# KiCad board kim-1.kicad_pcb (continued)
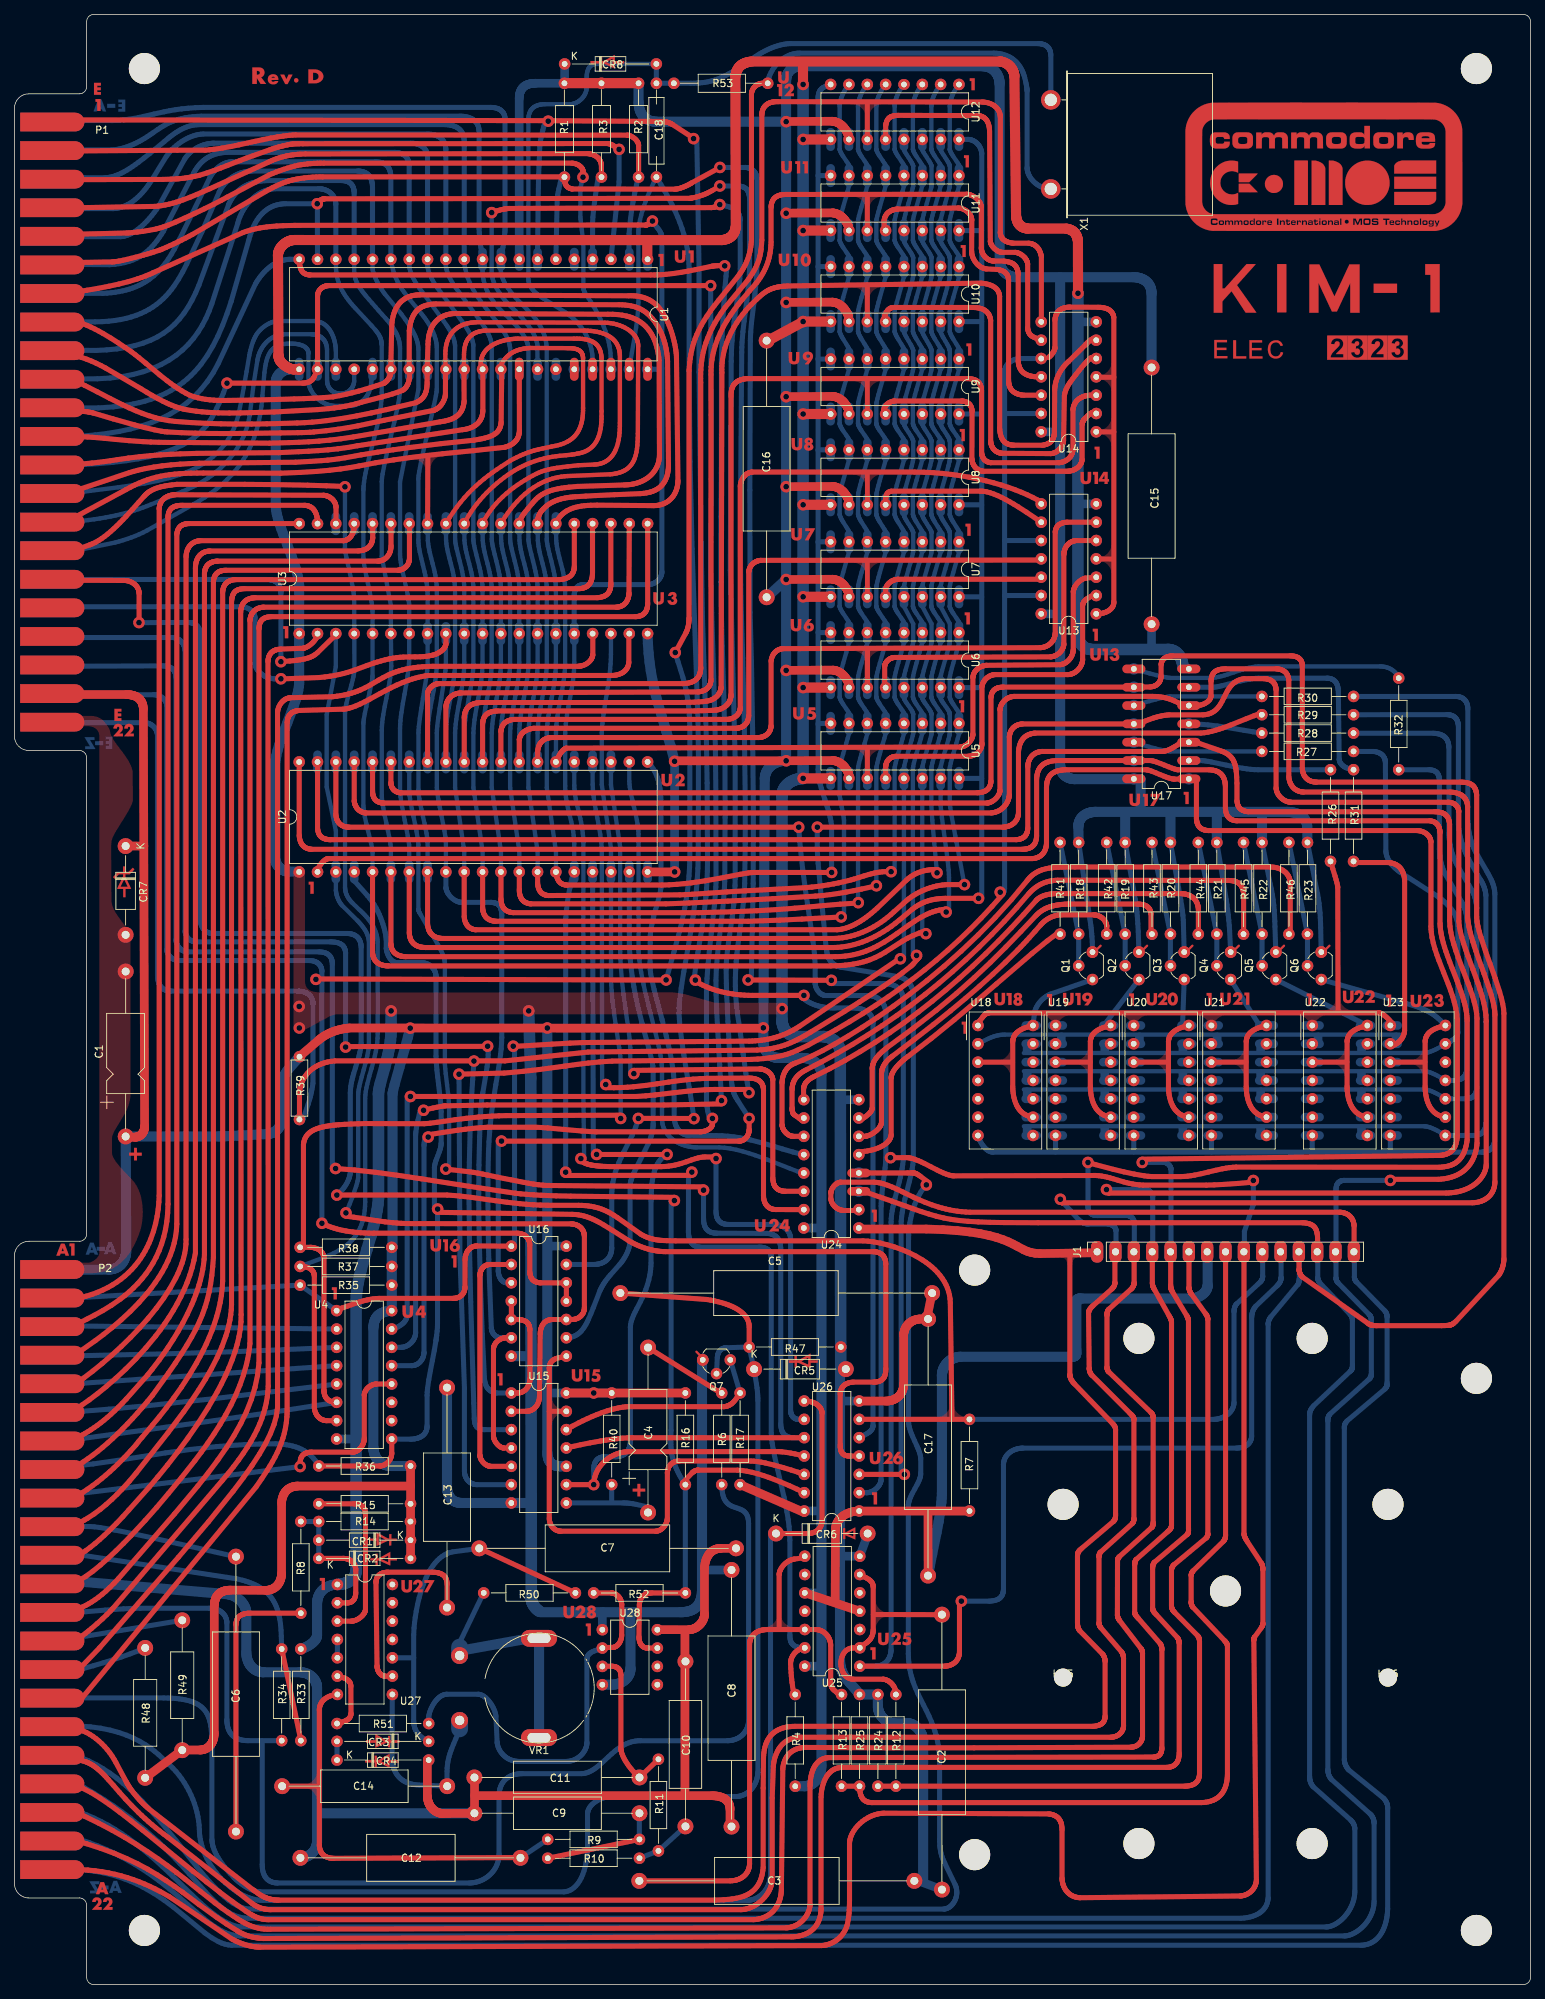
[diagram p0: board, top side]
## Routing (per net, layer and track width the routed paths; a pad name or vN(x,y) marks a point on that pad's centre or on a via; arc(x,y) is an arc through that point) (continued)
/PA4: length 146.9
  Top w0.7: 8.34,83.15 9.58,84.03 10.86,85.01 12.17,86.08 13.49,87.22 14.8,88.43 16.09,89.69 17.34,90.99 18.53,92.34 19.64,93.71 20.66,95.09 21.56,96.49 22.33,97.88 22.66,98.57 22.96,99.26 23.21,99.95 23.42,100.62 23.58,101.29 23.69,101.95 23.76,102.6 23.77,103.24 23.77,197.85 23.78,198.06 23.81,198.27 23.85,198.48 23.91,198.68 23.95,198.78 23.98,198.87 24.03,198.96 24.08,199.05 24.13,199.14 24.18,199.22 24.24,199.31 24.3,199.38 24.37,199.46 24.44,199.53 24.51,199.6 24.59,199.66 24.67,199.72 24.75,199.78 24.84,199.83 24.93,199.88 25.03,199.92 25.13,199.96 25.23,199.99 25.34,200.02 25.45,200.04 25.56,200.06 25.68,200.07 25.8,200.08 45.52,200.08 45.61,200.08 45.7,200.09 45.79,200.11 45.87,200.13 45.95,200.16 46.03,200.19 46.11,200.23 46.19,200.28 46.26,200.33 46.33,200.38 46.4,200.44 46.46,200.51 46.52,200.57 46.58,200.65 46.64,200.72 46.69,200.8 46.74,200.88 46.78,200.97 46.83,201.06 46.87,201.15 46.91,201.25 46.94,201.34 46.97,201.44 47,201.54 47.03,201.65 47.05,201.75 47.07,201.86 47.08,201.97 47.09,202.08 47.1,202.18 47.1,202.29 47.1,202.41
/PA5: length 152.6
  Top w0.7: 49.63,202.47 49.63,200.56 49.62,200.45 49.61,200.34 49.6,200.24 49.58,200.14 49.56,200.04 49.54,199.95 49.51,199.86 49.47,199.77 49.44,199.69 49.4,199.61 49.35,199.53 49.31,199.46 49.26,199.38 49.2,199.32 49.14,199.25 49.08,199.19 49.01,199.13 48.95,199.08 48.87,199.03 48.8,198.98 48.72,198.93 48.63,198.89 48.54,198.85 48.45,198.82 48.36,198.79 48.26,198.76 48.16,198.73 48.05,198.71 47.83,198.68 47.6,198.66 27.12,198.65 27,198.64 26.88,198.63 26.76,198.62 26.65,198.59 26.54,198.57 26.44,198.54 26.34,198.5 26.24,198.46 26.15,198.41 26.06,198.36 25.97,198.31 25.89,198.25 25.81,198.19 25.74,198.12 25.66,198.05 25.6,197.97 25.53,197.89 25.48,197.81 25.42,197.72 25.37,197.63 25.32,197.53 25.28,197.44 25.24,197.33 25.2,197.23 25.17,197.12 25.15,197.01 25.1,196.77 25.08,196.52 25.07,196.27 25.07,101.39 24.87,100.34 24.6,99.31 24.28,98.28 23.91,97.27 23.5,96.28 23.04,95.3 22.53,94.34 22,93.4 21.42,92.49 20.82,91.59 20.2,90.71 19.55,89.86 18.21,88.23 16.83,86.71 15.43,85.31 14.06,84.02 12.73,82.88 11.49,81.87 10.35,81.01 9.35,80.31 8.53,79.77 7.9,79.41
/PA6: length 158.1
  Top w0.7: 52.16,202.47 52.16,199.39 52.16,199.2 52.14,199.02 52.11,198.83 52.07,198.65 52.04,198.56 52,198.47 51.97,198.38 51.93,198.29 51.88,198.21 51.84,198.12 51.79,198.04 51.73,197.96 51.67,197.89 51.61,197.82 51.54,197.75 51.47,197.68 51.4,197.62 51.32,197.56 51.24,197.51 51.15,197.46 51.06,197.41 50.97,197.37 50.87,197.34 50.77,197.31 50.66,197.28 50.55,197.27 50.43,197.25 50.32,197.25 28.19,197.25 28.08,197.24 27.97,197.24 27.87,197.22 27.77,197.21 27.68,197.19 27.58,197.17 27.49,197.15 27.41,197.12 27.32,197.09 27.24,197.05 27.17,197.01 27.09,196.97 27.02,196.93 26.96,196.88 26.89,196.83 26.83,196.78 26.77,196.72 26.72,196.66 26.67,196.6 26.62,196.53 26.58,196.47 26.54,196.4 26.5,196.32 26.46,196.25 26.43,196.17 26.41,196.09 26.38,196 26.36,195.92 26.35,195.83 26.33,195.74 26.33,195.64 26.32,195.55 26.32,101.2 26.27,100.49 26.19,99.78 26.08,99.07 25.94,98.36 25.76,97.65 25.57,96.95 25.35,96.25 25.1,95.56 24.84,94.88 24.56,94.21 23.96,92.91 23.31,91.65 22.64,90.46 21.96,89.35 21.29,88.32 20.65,87.38 20.05,86.55 19.07,85.25 18.47,84.5 15.48,81.13 14.93,80.55 14.39,80 13.87,79.5 13.37,79.03 12.88,78.6 12.4,78.2 11.94,77.83 11.49,77.49 11.05,77.18 10.62,76.89 10.2,76.63 9.78,76.38 9.37,76.15 8.97,75.93 8.18,75.53
/PA7: length 163.7
  Top w0.7: 8.16,71.59 8.84,71.98 9.52,72.41 10.2,72.88 10.88,73.37 11.56,73.9 12.24,74.46 12.92,75.05 13.6,75.67 14.29,76.32 14.97,77 15.66,77.7 16.35,78.44 17.04,79.2 17.73,79.99 18.42,80.8 19.11,81.64 21.34,84.74 22.29,86.12 23.13,87.4 23.88,88.6 24.55,89.73 25.12,90.81 25.62,91.86 26.05,92.89 26.41,93.91 26.72,94.94 26.97,95.99 27.17,97.08 27.33,98.23 27.46,99.45 27.56,100.76 27.56,194.37 27.57,194.48 27.58,194.58 27.59,194.68 27.61,194.78 27.63,194.87 27.66,194.95 27.69,195.04 27.72,195.11 27.76,195.19 27.8,195.26 27.84,195.33 27.88,195.39 27.93,195.45 27.98,195.51 28.03,195.56 28.09,195.61 28.15,195.66 28.21,195.7 28.27,195.74 28.34,195.77 28.41,195.81 28.48,195.84 28.55,195.86 28.62,195.89 28.7,195.91 28.78,195.93 28.94,195.96 29.11,195.97 29.29,195.98 53.11,195.98 53.21,195.99 53.3,196 53.39,196.02 53.48,196.04 53.56,196.06 53.64,196.09 53.72,196.12 53.8,196.15 53.87,196.19 53.94,196.23 54.01,196.27 54.07,196.32 54.13,196.36 54.19,196.41 54.24,196.47 54.3,196.52 54.34,196.58 54.39,196.64 54.43,196.7 54.47,196.76 54.51,196.83 54.54,196.9 54.57,196.96 54.6,197.04 54.63,197.11 54.65,197.18 54.67,197.25 54.68,197.33 54.7,197.48 54.71,197.64 54.71,202.47
/PB0: length 189.9
  Top w0.7: 7.99,67.32 8.73,67.74 9.45,68.19 10.14,68.65 10.81,69.12 11.45,69.6 12.06,70.09 12.65,70.58 13.21,71.08 13.75,71.57 14.26,72.06 15.21,73.02 16.07,73.93 16.84,74.79 17.15,75.21 17.66,75.81 19.14,77.56 20.05,78.67 21.04,79.92 22.08,81.3 23.14,82.8 24.19,84.4 25.2,86.09 25.68,86.97 26.14,87.86 26.58,88.78 26.99,89.7 27.36,90.64 27.71,91.6 28.01,92.56 28.28,93.53 28.49,94.51 28.66,95.49 28.78,96.48 28.84,97.47 28.84,192.94 28.85,193.05 28.86,193.16 28.87,193.26 28.89,193.36 28.92,193.46 28.95,193.55 28.98,193.64 29.01,193.72 29.05,193.8 29.09,193.88 29.14,193.95 29.18,194.02 29.23,194.08 29.29,194.14 29.34,194.2 29.4,194.26 29.47,194.31 29.53,194.35 29.6,194.4 29.67,194.44 29.74,194.47 29.81,194.51 29.89,194.54 29.97,194.57 30.13,194.61 30.3,194.65 30.47,194.67 30.66,194.68 75.41,194.68 75.64,194.7 75.86,194.72 76.06,194.76 76.26,194.81 76.45,194.88 76.62,194.95 76.71,194.99 76.78,195.04 76.86,195.09 76.93,195.14 77,195.2 77.07,195.26 77.13,195.32 77.18,195.39 77.24,195.46 77.29,195.53 77.33,195.61 77.37,195.69 77.41,195.77 77.44,195.86 77.47,195.95 77.5,196.05 77.52,196.15 77.53,196.26 77.54,196.36 77.55,196.48 77.55,202.44
/PB1: length 197.2
  Top w0.7: 80.07,202.47 80.07,195.67 80.06,195.44 80.04,195.21 80.01,195 79.97,194.79 79.95,194.69 79.92,194.6 79.88,194.51 79.85,194.42 79.81,194.33 79.76,194.25 79.71,194.17 79.66,194.09 79.61,194.02 79.55,193.95 79.48,193.89 79.41,193.83 79.34,193.77 79.26,193.72 79.18,193.67 79.09,193.63 78.99,193.59 78.9,193.55 78.79,193.52 78.68,193.49 78.57,193.47 78.45,193.45 78.32,193.44 78.19,193.43 31.9,193.43 31.68,193.42 31.47,193.4 31.28,193.37 31.2,193.35 31.11,193.32 31.03,193.29 30.95,193.26 30.87,193.23 30.8,193.19 30.73,193.15 30.67,193.11 30.6,193.06 30.55,193 30.49,192.95 30.44,192.89 30.39,192.82 30.35,192.75 30.31,192.67 30.27,192.6 30.23,192.51 30.2,192.42 30.17,192.33 30.15,192.23 30.13,192.13 30.11,192.02 30.1,191.9 30.08,191.78 30.07,191.52 30.07,94.25 30.04,93.53 29.96,92.8 29.85,92.07 29.69,91.34 29.5,90.6 29.28,89.86 28.73,88.37 28.07,86.86 27.3,85.36 26.44,83.85 25.5,82.35 24.5,80.85 23.45,79.37 21.25,76.45 16.88,70.9 15.93,69.76 14.86,68.59 14.21,67.92 13.49,67.23 12.72,66.54 11.9,65.86 11.04,65.21 10.15,64.63 9.69,64.36 9.24,64.12 8.78,63.9 8.32,63.71 7.86,63.55 7.4,63.42 6.94,63.33 6.49,63.27
/PB2: length 201.4
  Top w0.7: 82.61,202.47 82.61,194.21 82.61,194.07 82.61,193.94 82.6,193.82 82.58,193.7 82.57,193.58 82.54,193.48 82.52,193.37 82.49,193.27 82.45,193.18 82.41,193.09 82.37,193.01 82.32,192.93 82.27,192.86 82.22,192.79 82.16,192.72 82.1,192.66 82.03,192.6 81.96,192.55 81.89,192.5 81.82,192.46 81.74,192.42 81.66,192.38 81.57,192.34 81.49,192.31 81.31,192.26 81.12,192.22 80.92,192.19 80.71,192.18 33.37,192.18 33.24,192.17 33.12,192.16 33,192.14 32.88,192.12 32.77,192.1 32.67,192.07 32.57,192.04 32.47,192.01 32.38,191.97 32.29,191.93 32.2,191.88 32.12,191.83 32.05,191.78 31.98,191.72 31.91,191.67 31.84,191.6 31.78,191.54 31.73,191.47 31.68,191.39 31.63,191.32 31.58,191.24 31.54,191.16 31.51,191.07 31.47,190.98 31.44,190.89 31.42,190.8 31.4,190.7 31.38,190.6 31.35,190.39 31.34,190.16 31.39,92.83 31.38,91.84 31.28,90.83 31.11,89.79 30.86,88.73 30.54,87.65 30.15,86.56 29.71,85.46 29.22,84.36 28.68,83.25 28.1,82.14 26.83,79.95 25.46,77.81 24.04,75.75 22.6,73.8 21.2,71.99 19.87,70.35 18.65,68.92 15.84,65.75 15.04,64.86 14.15,63.92 13.05,62.82 12.44,62.24 11.81,61.67 11.17,61.12 10.52,60.6 9.88,60.12 9.25,59.72 8.65,59.39 8.37,59.25 8.09,59.15
/PB3: length 206.8
  Top w0.7: 85.17,202.47 85.12,192.83 85.12,192.73 85.11,192.62 85.1,192.52 85.08,192.43 85.06,192.33 85.04,192.24 85.02,192.15 84.99,192.06 84.95,191.97 84.92,191.88 84.88,191.8 84.84,191.72 84.79,191.65 84.74,191.57 84.69,191.5 84.63,191.43 84.57,191.37 84.51,191.31 84.45,191.25 84.38,191.2 84.31,191.15 84.23,191.1 84.16,191.06 84.08,191.02 83.99,190.98 83.91,190.95 83.82,190.93 83.73,190.91 83.63,190.89 83.53,190.87 83.43,190.87 83.33,190.86 34.57,190.86 34.46,190.86 34.36,190.85 34.25,190.84 34.15,190.82 34.05,190.8 33.96,190.77 33.86,190.74 33.77,190.71 33.69,190.67 33.6,190.63 33.52,190.58 33.44,190.54 33.37,190.48 33.3,190.43 33.23,190.37 33.17,190.31 33.1,190.24 33.05,190.18 32.99,190.11 32.94,190.03 32.89,189.96 32.85,189.88 32.81,189.8 32.77,189.71 32.74,189.63 32.71,189.54 32.69,189.45 32.66,189.36 32.65,189.27 32.63,189.17 32.63,189.07 32.62,188.98 32.62,88.84 32.54,88.1 32.43,87.37 32.3,86.64 32.13,85.92 31.73,84.48 31.23,83.06 30.65,81.67 29.99,80.29 29.26,78.94 28.48,77.61 27.65,76.31 26.78,75.03 25.89,73.79 24.97,72.57 23.13,70.24 21.33,68.05 19.71,66.13 18.11,64.31 16.17,62.23 15.13,61.16 14.06,60.1 12.98,59.08 11.91,58.13 10.88,57.28 9.88,56.56 8.96,55.99 8.53,55.77 8.12,55.59
/PB4: length 213.6
  Top w0.7: 7.45,51.48 8.08,51.75 8.76,52.02 9.12,52.18 9.49,52.35 9.88,52.55 10.29,52.77 10.72,53.03 11.17,53.33 11.65,53.67 12.15,54.07 12.67,54.52 13.22,55.03 13.8,55.61 14.41,56.26 22.17,65.21 25.4,69.09 26.85,70.92 28.17,72.69 29.37,74.41 30.43,76.1 31.37,77.77 32.16,79.43 32.81,81.08 33.32,82.75 33.67,84.44 33.87,86.17 33.87,187.85 33.88,187.96 33.88,188.07 33.89,188.18 33.91,188.28 33.92,188.38 33.95,188.47 33.97,188.56 34,188.64 34.03,188.72 34.07,188.79 34.1,188.86 34.15,188.93 34.19,188.99 34.24,189.05 34.29,189.11 34.35,189.16 34.4,189.21 34.47,189.25 34.53,189.29 34.6,189.33 34.67,189.36 34.74,189.4 34.82,189.42 34.89,189.45 34.98,189.47 35.06,189.49 35.24,189.52 35.42,189.54 35.62,189.55 86,189.55 86.11,189.55 86.22,189.56 86.32,189.57 86.42,189.59 86.51,189.61 86.6,189.63 86.69,189.66 86.77,189.69 86.85,189.73 86.92,189.76 87,189.81 87.06,189.85 87.13,189.9 87.19,189.95 87.25,190.01 87.3,190.06 87.35,190.13 87.4,190.19 87.44,190.26 87.48,190.33 87.52,190.4 87.55,190.48 87.58,190.56 87.61,190.64 87.63,190.73 87.65,190.82 87.67,190.91 87.69,191.01 87.71,191.2 87.71,191.41 87.71,202.45
/PB5: length 201.1
  Top w0.7: 7.37,39.52 9.21,39.52 33.47,68.96 34.26,70.12 35.03,71.28 35.39,71.87 35.75,72.47 36.08,73.09 36.4,73.71 36.69,74.36 36.95,75.02 37.18,75.7 37.38,76.41 37.54,77.14 37.66,77.9 37.74,78.68 37.76,79.09 37.77,79.5 37.77,174.86 37.78,175.03 37.81,175.2 37.84,175.36 37.86,175.44 37.89,175.51 37.92,175.58 37.95,175.65 37.98,175.72 38.02,175.79 38.06,175.85 38.1,175.92 38.14,175.98 38.19,176.03 38.25,176.09 38.3,176.14 38.36,176.19 38.42,176.24 38.49,176.28 38.56,176.32 38.64,176.36 38.71,176.39 38.79,176.42 38.88,176.45 38.97,176.48 39.06,176.5 39.16,176.52 39.26,176.53 39.37,176.54 39.48,176.55 45.53,176.73 45.8,176.76 46.08,176.8 46.36,176.87 46.65,176.95 47.26,177.17 47.88,177.44 48.53,177.76 49.21,178.12 50.64,178.89 51.39,179.29 52.16,179.69 52.96,180.07 53.78,180.43 54.63,180.75 55.06,180.89 55.5,181.03 55.94,181.14 56.39,181.25 56.85,181.33 57.31,181.4 82.6,181.4 82.81,181.4 83.02,181.42 83.24,181.44 83.45,181.48 83.65,181.54 83.85,181.6 84.05,181.69 84.14,181.74 84.23,181.79 84.32,181.85 84.4,181.91 84.48,181.97 84.56,182.04 84.63,182.11 84.7,182.19 84.76,182.27 84.82,182.36 84.88,182.45 84.92,182.55 84.97,182.65 85.01,182.75 85.04,182.86 85.07,182.98 85.09,183.1 85.1,183.22 85.1,187.19
/PB7: length 193.1
  Top w0.7: 7.38,43.82 9.05,43.82 11.81,46.68 22.71,59.21 26.9,64.15 30.29,68.36 31.69,70.22 32.91,71.93 33.94,73.51 34.79,74.98 35.46,76.34 35.96,77.62 36.28,78.81 36.44,79.95 36.44,176.3 36.45,176.4 36.46,176.49 36.5,176.68 36.56,176.86 36.62,177.04 36.7,177.22 36.8,177.38 36.9,177.54 37.02,177.69 37.09,177.75 37.15,177.82 37.22,177.88 37.29,177.94 37.36,178 37.44,178.05 37.52,178.1 37.6,178.14 37.68,178.18 37.77,178.22 37.85,178.25 37.94,178.27 38.03,178.29 38.12,178.31 38.21,178.32 38.31,178.32 44.08,178.46 44.67,178.53 45.23,178.61 45.75,178.71 46.23,178.82 46.69,178.95 47.11,179.08 47.51,179.23 47.89,179.38 48.59,179.7 49.23,180.05 50.46,180.76 51.08,181.11 51.75,181.45 52.11,181.61 52.48,181.77 52.88,181.91 53.3,182.05 53.76,182.17 54.24,182.29 54.75,182.39 55.31,182.48 55.9,182.55 56.54,182.61 57.22,182.65 57.95,182.67 78.07,182.67 78.17,182.68 78.27,182.68 78.37,182.7 78.47,182.72 78.56,182.74 78.66,182.76 78.84,182.82 79.02,182.9 79.18,182.98 79.34,183.08 79.48,183.19 79.61,183.31 79.73,183.43 79.84,183.57 79.88,183.64 79.93,183.71 79.96,183.78 80,183.85 80.03,183.92 80.05,184 80.08,184.07 80.09,184.15 80.1,184.23 80.11,184.31 80.11,187.17
/PTR: length 185.5
  Top w0.7: 109.4,80.85 109.55,80.85 109.7,80.85 109.84,80.84 109.98,80.82 110.11,80.8 110.24,80.77 110.36,80.74 110.48,80.71 110.59,80.67 110.7,80.63 110.81,80.59 110.9,80.54 111,80.48 111.09,80.43 111.17,80.37 111.25,80.31 111.32,80.25 111.39,80.18 111.46,80.12 111.52,80.05 111.57,79.98 111.62,79.91 111.67,79.84 111.71,79.76 111.74,79.69 111.78,79.61 111.8,79.54 111.82,79.47 111.84,79.39 111.86,79.32 111.86,79.25 111.87,79.18 111.87,64.37 111.86,64.2 111.84,64.03 111.8,63.86 111.75,63.69 111.72,63.61 111.69,63.53 111.65,63.46 111.61,63.38 111.56,63.31 111.51,63.23 111.46,63.17 111.4,63.1 111.34,63.03 111.27,62.97 111.2,62.91 111.13,62.86 111.05,62.81 110.96,62.76 110.88,62.71 110.78,62.67 110.68,62.64 110.58,62.6 110.48,62.57 110.36,62.55 110.25,62.53 110.13,62.52 110,62.51 109.87,62.5 CR6.1 ; 109.7,80.85 109.56,80.86 109.4,80.85
  Bottom w0.7: 104.73,62.33 104.73,15.29 104.72,15.09 104.71,14.9 104.68,14.71 104.65,14.53 104.61,14.35 104.57,14.17 104.51,14 104.45,13.84 104.38,13.68 104.3,13.52 104.22,13.37 104.13,13.22 104.04,13.08 103.94,12.95 103.83,12.82 103.72,12.69 103.6,12.58 103.48,12.46 103.36,12.36 103.23,12.26 103.1,12.17 102.96,12.09 102.83,12.01 102.68,11.94 102.54,11.88 102.39,11.82 102.24,11.78 102.09,11.74 101.94,11.71 101.79,11.68 101.63,11.67 101.48,11.66 34.38,11.66 34.01,11.68 33.64,11.72 33.27,11.8 32.89,11.89 32.51,12.02 32.13,12.16 31.75,12.33 31.37,12.53 31,12.74 30.63,12.98 29.9,13.5 29.2,14.1 28.55,14.77 27.93,15.49 27.37,16.25 26.87,17.06 26.65,17.48 26.45,17.91 26.26,18.34 26.1,18.78 25.96,19.22 25.84,19.67 25.74,20.12 25.67,20.58 25.63,21.03 25.61,21.49 25.58,22.07 25.51,22.67 25.41,23.27 25.28,23.88 25.12,24.48 24.93,25.08 24.7,25.68 24.45,26.27 24.17,26.85 23.87,27.42 23.53,27.97 23.17,28.51 22.79,29.03 22.38,29.53 21.94,30 21.48,30.45 19.95,31.87 19.42,32.32 18.81,32.78 18.13,33.25 17.35,33.7 16.49,34.14 15.53,34.56 14.46,34.93 13.27,35.25 11.97,35.52 10.54,35.71 8.98,35.82 7.28,35.84
/PTR_R: length 10.8
  Bottom w0.7: 7.89,43.35 9.45,43.77 10.92,44.18 12.32,44.59 13.64,45 14.87,45.41 16.03,45.82 17.12,46.24 18.12,46.65
/R0: length 101.4
  Top w0.7: 78.76,250.46 78.76,251.26 78.75,251.32 78.74,251.37 78.73,251.43 78.71,251.48 78.69,251.54 78.66,251.59 78.64,251.64 78.6,251.69 78.57,251.74 78.53,251.79 78.45,251.88 78.36,251.96 78.26,252.04 78.15,252.11 78.03,252.18 77.9,252.24 77.77,252.29 77.64,252.33 77.49,252.36 77.35,252.38 77.2,252.39 42.84,252.39 42.38,252.39 41.93,252.38 41.48,252.36 41.03,252.32 40.59,252.28 40.14,252.23 39.7,252.17 39.26,252.09 38.77,251.98 38.28,251.84 37.79,251.7 37.29,251.54 36.79,251.36 36.29,251.17 35.78,250.97 35.26,250.75 29.45,247.68 28.67,247.25 27.58,246.69 26.3,246.06 24.92,245.4 23.56,244.77 22.31,244.22 21.28,243.79 20.88,243.64 20.58,243.55 20.3,243.45 20,243.37 19.66,243.28 19.3,243.2 18.54,243.06 17.76,242.94 17.03,242.84 16.38,242.77 15.87,242.73 15.54,242.71 8.26,242.54
  Bottom w0.6: 78.75,250.44 78.69,250.23 78.63,250 78.56,249.72 78.49,249.4 78.46,249.24 78.43,249.08 78.41,248.92 78.4,248.77 78.39,248.63 78.39,248.51 78.39,244.95 78.41,244.64 78.46,244.19 78.6,243.08 78.73,241.96 78.78,241.51 78.8,241.18 78.8,235.23 78.82,235.1 78.83,234.98 78.84,234.92 78.85,234.86 78.86,234.81 78.88,234.76 78.89,234.71 78.91,234.66 78.93,234.61 78.95,234.56 78.97,234.52 78.99,234.47 79.02,234.43 79.05,234.38 79.46,233.76 79.85,233.15 80.21,232.55 80.55,231.96 80.86,231.38 81.15,230.8 81.41,230.24 81.64,229.69 81.85,229.14 82.04,228.6 82.19,228.08 82.32,227.56 82.43,227.05 82.51,226.55 82.56,226.07 82.59,225.59 82.61,223.83
  vias: v1(78.75,250.45)
/R/~{W}: length 187.6
  Top w0.7: 36.99,180.92 42.2,181.11 42.99,181.2 43.72,181.3 44.39,181.41 45,181.53 45.57,181.67 46.1,181.82 46.6,181.97 47.07,182.13 48.85,182.78 49.76,183.11 50.25,183.26 50.77,183.41 51.36,183.57 51.92,183.7 52.45,183.8 52.94,183.87 53.41,183.92 53.86,183.95 54.69,183.97 55.47,183.98 56.23,183.99 56.6,184.01 56.99,184.05 57.38,184.1 57.78,184.18 57.95,184.22 58.13,184.27 58.3,184.33 58.47,184.4 58.64,184.48 58.8,184.57 58.95,184.66 59.1,184.77 59.23,184.88 59.35,185 59.47,185.12 59.52,185.19 59.56,185.25 59.6,185.32 59.64,185.39 59.68,185.46 59.71,185.53 59.73,185.6 59.75,185.67 59.77,185.75 59.78,185.82 59.77,187.23 ; 68.82,89.62 68.03,89.62 67.95,89.62 67.88,89.61 67.8,89.6 67.72,89.58 67.65,89.56 67.57,89.54 67.5,89.51 67.42,89.48 67.35,89.45 67.28,89.41 67.21,89.37 67.14,89.33 67.01,89.24 66.89,89.13 66.77,89.02 66.72,88.96 66.67,88.9 66.62,88.84 66.58,88.78 66.54,88.71 66.5,88.64 66.47,88.58 66.44,88.51 66.42,88.44 66.39,88.37 66.38,88.3 66.36,88.22 66.36,88.15 66.35,88.08 66.35,76.01 66.35,75.95 66.36,75.88 66.37,75.81 66.39,75.74 66.41,75.67 66.43,75.6 66.48,75.46 66.55,75.32 66.63,75.18 66.73,75.05 66.83,74.92 66.94,74.8 67.05,74.69 67.17,74.6 67.24,74.56 67.3,74.52 67.36,74.48 67.43,74.45 67.49,74.42 67.56,74.4 67.62,74.38 67.69,74.36 67.75,74.35 67.82,74.35 68.82,74.35
  Bottom w0.6: 59.76,187.2 59.76,182.89 59.74,182.51 59.7,182.05 59.55,180.94 59.12,178.24 58.9,176.84 58.7,175.51 58.56,174.35 58.52,173.86 58.51,173.44 58.51,165.86 58.53,165.53 58.57,165.13 58.72,164.2 58.91,163.14 59.14,162.02 59.56,159.89 59.7,159.01 59.74,158.65 59.76,158.36 59.76,154.21
  Bottom w0.7: 36.92,180.94 36.11,180.94 35.96,180.94 35.82,180.95 35.68,180.97 35.55,180.99 35.41,181.02 35.28,181.06 35.15,181.1 35.03,181.14 34.9,181.19 34.79,181.24 34.67,181.3 34.56,181.36 34.45,181.43 34.35,181.5 34.25,181.57 34.15,181.65 34.06,181.72 33.97,181.8 33.89,181.89 33.81,181.97 33.74,182.06 33.67,182.15 33.61,182.24 33.56,182.33 33.51,182.43 33.46,182.52 33.42,182.61 33.39,182.71 33.36,182.8 33.34,182.9 33.33,182.99 33.32,183.09 33.32,189.3 33.32,189.4 33.31,189.49 33.3,189.58 33.28,189.67 33.25,189.76 33.22,189.84 33.18,189.92 33.14,190 33.1,190.07 33.05,190.14 33,190.21 32.94,190.28 32.88,190.34 32.81,190.4 32.74,190.46 32.67,190.51 32.6,190.56 32.52,190.61 32.36,190.69 32.18,190.77 32,190.83 31.81,190.87 31.62,190.9 31.42,190.92 31.22,190.93 7.73,190.93 ; 59.76,154.21 59.76,152.02 59.78,151.93 59.79,151.83 59.81,151.74 59.84,151.65 59.87,151.56 59.91,151.47 59.95,151.38 60,151.29 60.05,151.2 60.1,151.11 60.22,150.95 60.36,150.79 60.5,150.64 60.66,150.5 60.82,150.37 61,150.26 61.08,150.21 61.17,150.16 61.27,150.12 61.36,150.08 61.45,150.05 61.54,150.02 61.63,150 61.73,149.98 61.82,149.97 61.91,149.96 65.96,149.96 66.07,149.96 66.17,149.95 66.27,149.94 66.36,149.92 66.45,149.9 66.53,149.88 66.61,149.86 66.69,149.83 66.76,149.8 66.83,149.77 66.89,149.73 66.96,149.69 67.01,149.65 67.07,149.6 67.12,149.55 67.16,149.5 67.2,149.44 67.24,149.38 67.28,149.32 67.31,149.25 67.34,149.18 67.37,149.1 67.4,149.02 67.42,148.94 67.44,148.85 67.45,148.76 67.48,148.57 67.49,148.36 67.5,148.14 67.5,131.2 67.47,130.44 67.42,129.67 67.34,128.89 67.23,128.1 66.97,126.45 66.67,124.68 66.36,122.73 66.21,121.68 66.06,120.57 65.93,119.39 65.82,118.14 65.73,116.81 65.66,115.4 65.59,111.97 65.58,108.75 65.61,105.61 65.66,102.39 65.7,100.54 65.8,97.61 66.05,91 66.06,90.93 66.07,90.85 66.08,90.78 66.1,90.71 66.11,90.64 66.14,90.57 66.16,90.5 66.19,90.44 66.22,90.38 66.25,90.32 66.28,90.26 66.32,90.2 66.36,90.15 66.4,90.1 66.44,90.05 66.49,90.01 66.53,89.96 66.58,89.92 66.63,89.88 66.69,89.85 66.74,89.81 66.8,89.78 66.85,89.75 66.91,89.72 66.97,89.7 67.04,89.68 67.1,89.66 67.16,89.65 67.23,89.63 67.3,89.62 67.36,89.62 67.43,89.61 68.79,89.61
  vias: v1(36.91,180.94)
/RAMRW: length 362.6
  Top w0.7: 39.48,119.87 39.48,123.57 39.5,123.82 39.54,124.05 39.59,124.29 39.64,124.51 39.71,124.73 39.78,124.94 39.87,125.15 39.96,125.34 40.06,125.54 40.18,125.72 40.3,125.9 40.42,126.07 40.56,126.23 40.7,126.39 40.86,126.54 41.02,126.69 41.18,126.82 41.35,126.95 41.53,127.08 41.72,127.19 41.91,127.3 42.11,127.4 42.32,127.49 42.53,127.58 42.74,127.66 42.96,127.73 43.19,127.79 43.42,127.85 43.89,127.94 44.38,127.99 67.93,127.99 79.46,129.22 102.86,129.49 103.49,129.53 104.09,129.59 104.66,129.67 105.19,129.77 105.71,129.89 106.19,130.02 106.66,130.17 107.1,130.33 107.53,130.51 107.95,130.69 108.35,130.89 108.75,131.09 109.52,131.53 110.29,131.98 115.01,134.87 117.01,136.13 118.8,137.28 120.39,138.34 121.78,139.31 123.01,140.21 124.07,141.04 124.17,141.12 124.26,141.2 124.35,141.28 124.43,141.36 124.5,141.44 124.58,141.52 124.72,141.69 124.99,142 125.06,142.08 125.13,142.16 125.2,142.23 125.28,142.31
  Bottom w0.6: 124.45,142.6 124.45,168.46 124.46,168.6 124.49,168.79 124.59,169.27 124.74,169.86 124.93,170.53 125.35,171.97 125.56,172.67 125.73,173.32 125.73,176.2 125.65,176.34 125.56,176.49 125.36,176.79 124.94,177.4 124.84,177.55 124.75,177.7 124.67,177.84 124.6,177.97 124.54,178.11 124.49,178.23 124.48,178.29 124.46,178.35 124.45,178.41 124.45,178.46 124.45,181.04 124.46,181.18 124.49,181.36 124.59,181.83 124.74,182.42 124.93,183.09 125.35,184.54 125.73,185.9 125.73,188.78 125.65,188.92 125.56,189.07 125.35,189.38 124.93,190 124.83,190.15 124.74,190.29 124.66,190.44 124.59,190.57 124.53,190.7 124.49,190.82 124.47,190.88 124.46,190.94 124.45,190.99 124.45,191.04 124.45,193.62 124.46,193.76 124.49,193.94 124.59,194.41 124.75,195 124.94,195.68 125.35,197.12 125.73,198.48 125.73,201.36 125.65,201.51 125.56,201.67 125.36,202 124.94,202.65 124.84,202.81 124.75,202.97 124.67,203.12 124.6,203.27 124.54,203.41 124.49,203.54 124.48,203.61 124.46,203.67 124.45,203.73 124.45,203.78 124.45,206.37 124.46,206.51 124.49,206.69 124.59,207.16 124.74,207.75 124.93,208.42 125.35,209.87 125.73,211.23 125.73,214.11 125.65,214.25 125.56,214.4 125.35,214.7 124.93,215.31 124.83,215.46 124.74,215.61 124.66,215.75 124.59,215.89 124.53,216.02 124.51,216.08 124.49,216.14 124.47,216.2 124.46,216.26 124.45,216.32 124.45,216.37 124.45,218.95 124.46,219.08 124.49,219.26 124.59,219.73 124.74,220.32 124.93,220.99 125.35,222.45 125.73,223.81 125.73,226.69 125.65,226.84 125.56,227.01 125.35,227.34 124.94,228.01 124.84,228.18 124.75,228.34 124.67,228.49 124.6,228.64 124.54,228.77 124.49,228.9 124.47,228.96 124.46,229.02 124.45,229.07 124.45,229.12 124.45,231.76 124.46,231.89 124.49,232.06 124.6,232.52 124.75,233.11 124.94,233.79 125.35,235.25 125.73,236.62 125.73,239.5 125.65,239.64 125.56,239.79 125.36,240.09 124.94,240.7 124.84,240.85 124.75,241 124.67,241.14 124.6,241.28 124.54,241.41 124.49,241.53 124.48,241.59 124.46,241.65 124.45,241.71 124.45,241.76 124.45,244.37 124.46,244.49 124.48,244.65 124.58,245.08 124.73,245.63 124.92,246.28 125.34,247.74 125.55,248.5 125.73,249.23 125.73,252.11 125.65,252.25 125.56,252.4 125.35,252.71 124.93,253.33 124.83,253.48 124.74,253.63 124.66,253.77 124.59,253.91 124.53,254.03 124.49,254.16 124.47,254.21 124.46,254.27 124.45,254.32 124.45,254.37 124.45,260.24 124.45,260.38 124.46,260.52 124.48,260.66 124.5,260.8 124.53,260.94 124.57,261.08 124.6,261.22 124.65,261.35 124.69,261.48 124.74,261.61 124.79,261.74 124.85,261.87 124.96,262.11 125.08,262.33 125.2,262.54 125.31,262.72 125.42,262.89 125.52,263.03 125.66,263.23 125.71,263.3
  Bottom w0.7: 68.82,76.9 65.19,76.9 65.09,76.9 64.99,76.9 64.89,76.91 64.8,76.92 64.72,76.93 64.63,76.95 64.56,76.97 64.48,76.99 64.41,77.02 64.35,77.05 64.29,77.08 64.23,77.12 64.17,77.16 64.12,77.2 64.08,77.24 64.03,77.29 63.99,77.34 63.95,77.4 63.92,77.45 63.89,77.52 63.86,77.58 63.83,77.65 63.81,77.72 63.78,77.79 63.75,77.94 63.72,78.11 63.7,78.29 63.68,78.48 63.62,80.58 63.2,94.61 63.04,101.79 62.96,109.15 63.01,113.92 63.12,118.45 63.21,120.71 63.32,123.02 63.47,125.42 63.65,127.94 ; 39.94,119.82 40.7,122.05 40.88,122.64 40.97,122.96 41.05,123.3 41.13,123.65 41.21,124.03 41.28,124.44 41.35,124.88 41.35,135.94 41.34,136.05 41.34,136.15 41.32,136.25 41.31,136.34 41.28,136.43 41.25,136.52 41.22,136.61 41.18,136.69 41.14,136.77 41.1,136.84 41.05,136.91 40.99,136.98 40.94,137.05 40.88,137.11 40.81,137.17 40.74,137.22 40.67,137.28 40.6,137.32 40.52,137.37 40.44,137.41 40.28,137.49 40.1,137.55 39.92,137.6 39.73,137.64 39.54,137.66 39.34,137.67 21.67,137.67 21.56,137.67 21.44,137.68 21.34,137.69 21.23,137.71 21.13,137.73 21.04,137.76 20.94,137.79 20.86,137.83 20.77,137.87 20.69,137.92 20.61,137.97 20.54,138.02 20.47,138.08 20.4,138.14 20.34,138.2 20.28,138.27 20.22,138.35 20.17,138.42 20.12,138.5 20.08,138.58 20.04,138.67 20,138.76 19.96,138.85 19.93,138.95 19.88,139.15 19.85,139.36 19.82,139.59 19.81,139.82 19.81,173.07 19.81,173.17 19.8,173.26 19.79,173.35 19.77,173.44 19.75,173.52 19.72,173.61 19.69,173.69 19.66,173.77 19.62,173.85 19.58,173.93 19.53,174 19.48,174.08 19.43,174.15 19.37,174.21 19.31,174.28 19.25,174.34 19.19,174.4 19.12,174.46 19.05,174.51 18.98,174.56 18.9,174.61 18.82,174.65 18.74,174.69 18.66,174.72 18.58,174.75 18.5,174.78 18.41,174.81 18.32,174.83 18.24,174.84 18.15,174.85 18.06,174.86 17.97,174.86 7.65,174.86
  vias: v1(63.65,127.97) v1(124.96,142.61)
